# Altium PCB PCB.PcbDoc
Units mil, origin at the board's own origin, x right, y up, seen from the top; angles counter-clockwise.
Board outline 7480.31 x 2047.24 mil, 2 copper layers (Top Layer, Bottom Layer); 107 components, 136 nets, 510 pads, 273 vias.
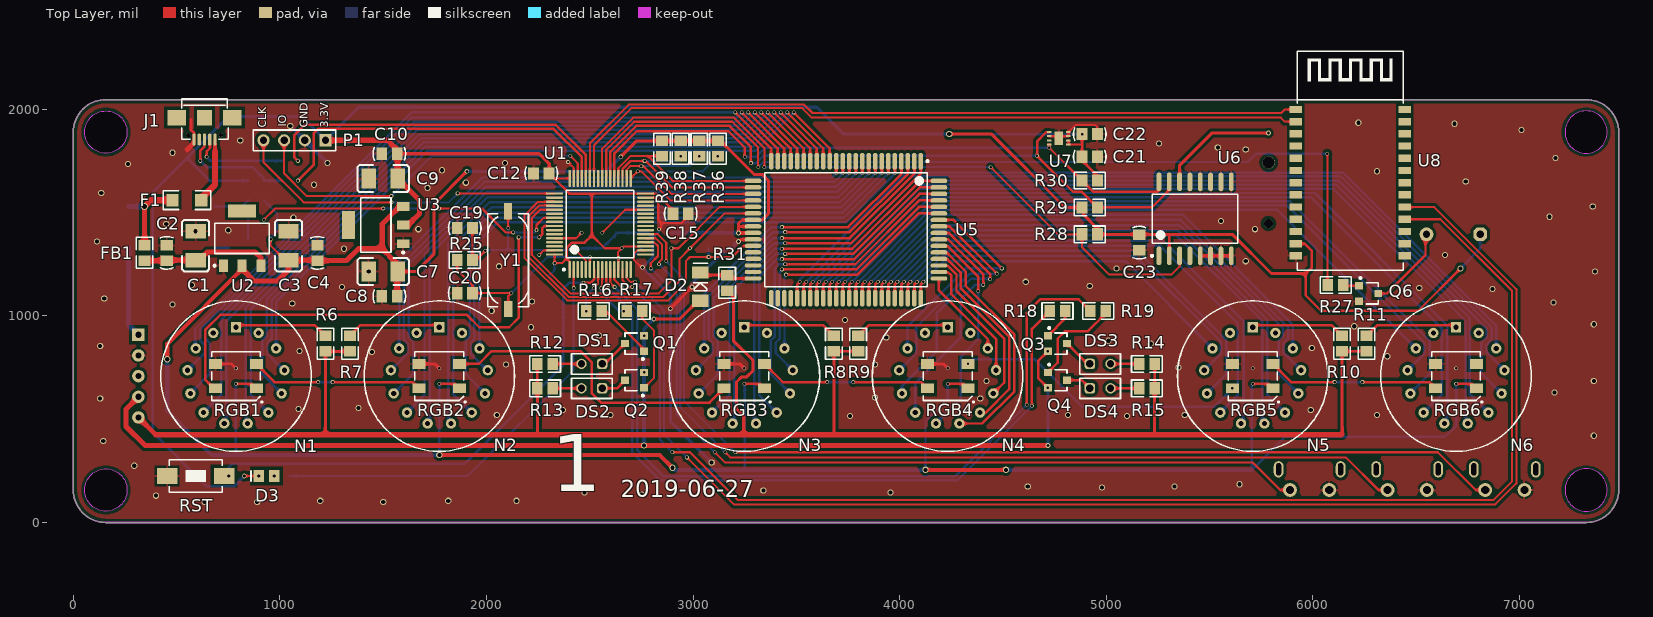
[diagram p0: Top Layer view]
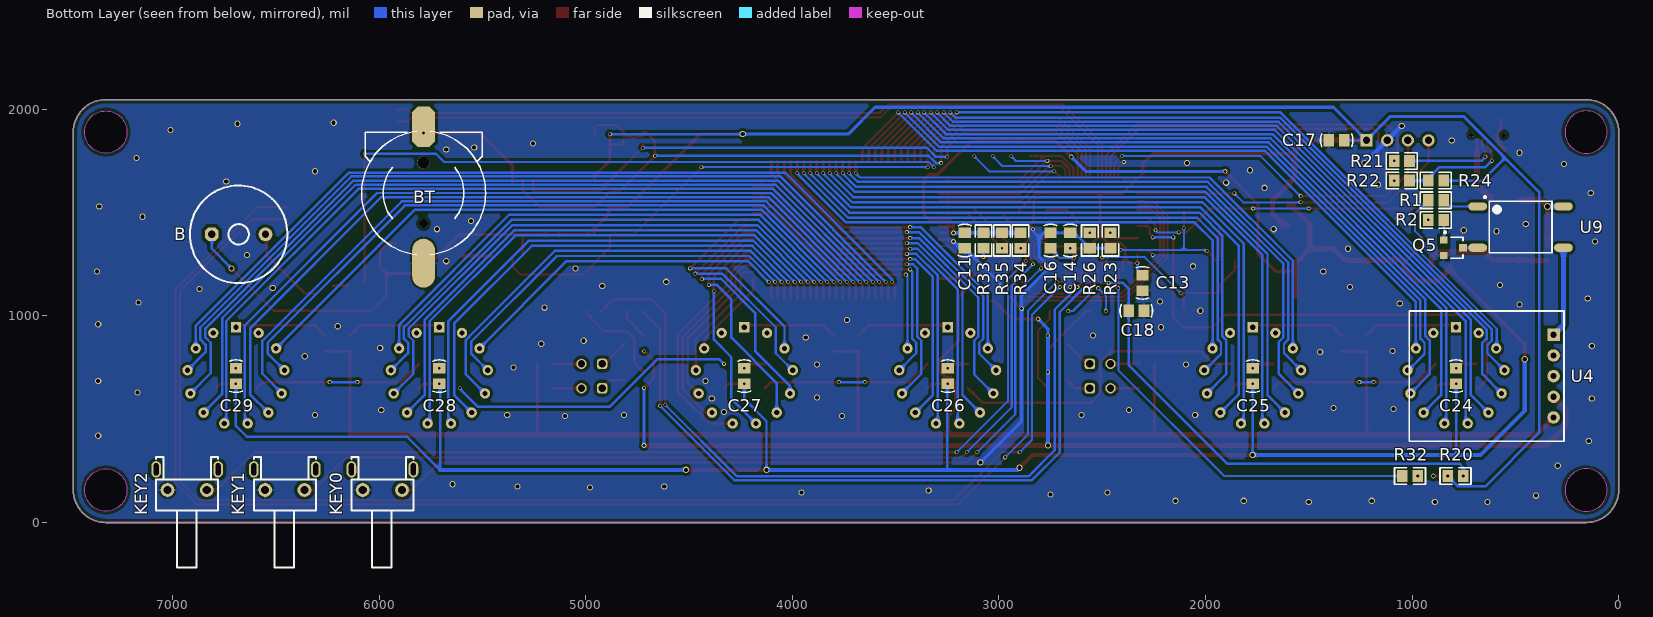
[diagram p1: Bottom Layer view, seen from below]

## Layer stack, top to bottom
Top Solder: solder mask 0.4, Solder Resist, Dk 3.5
Top Layer: signal copper 1.4
Dielectric 1: dielectric 12.6, FR-4, Dk 4.8
Bottom Layer: signal copper 1.4
Bottom Solder: solder mask 0.4, Solder Resist, Dk 3.5

## Board outline
0,157.48 0,1889.76 cw(c157.48,1889.76) 157.48,2047.24 7322.83,2047.24 cw(c7322.83,1889.76) 7480.31,1889.76 7480.31,157.48 cw(c7322.83,157.48) 7322.83,0 157.48,0 cw(c157.48,157.48)
cut-out: 157.48,1787.4 cw(c157.48,1889.76) 55.12,1889.76 cw(c157.48,1889.76) 157.48,1992.13 cw(c157.48,1889.76) 259.84,1889.76 cw(c157.48,1889.76)
cut-out: 7220.47,1889.76 ccw(c7322.83,1889.76) 7322.83,1787.4 ccw(c7322.83,1889.76) 7425.2,1889.76 ccw(c7322.83,1889.76) 7322.83,1992.13 ccw(c7322.83,1889.76)
cut-out: 157.48,55.12 cw(c157.48,157.48) 55.12,157.48 cw(c157.48,157.48) 157.48,259.84 cw(c157.48,157.48) 259.84,157.48 cw(c157.48,157.48)
cut-out: 7220.47,157.48 ccw(c7322.83,157.48) 7322.83,55.12 ccw(c7322.83,157.48) 7425.2,157.48 ccw(c7322.83,157.48) 7322.83,259.84 ccw(c7322.83,157.48)

## Design rules (kind name [scope] priority, off if disabled: settings)
Clearance Clearance_Polygon [InPolygon] p1: gap=15
Clearance [All] p2: gap=7
Height [All] p1: minheight=0 maxheight=3149.61 prefheight=500
MinimumSolderMaskSliver [All] p1: minsoldermaskwidth=0
PolygonConnect PolygonConnectVias [IsVia] p1: connectstyle=Direct reliefconductorwidth=10 reliefentries=4 polygonreliefangle="90 Angle" airgapwidth=10
PolygonConnect [All] p2: connectstyle=Relief reliefconductorwidth=10 reliefentries=4 polygonreliefangle="90 Angle" airgapwidth=10
RoutingVias [All] p1: holewidth=25 width=33 viastyle="Through Hole" minholewidth=10 minwidth=15 maxholewidth=50 maxwidth=70
SilkToSilkClearance [All] p1: silktosilkclearance=0
SilkToSolderMaskClearance [IsPad] p1: minsilkscreentomaskgap=0 clearancetoexposedcopper=TRUE
SolderMaskExpansion [All] p1: expansion=4
Width Width_VCC [(InNet('VCC5') AND InNet('VCC12') AND InNet('VCC3.3') AND InNet('VH'))] p1: maxlimit=35 minlimit=10 preferedwidth=25
Width [All] p2: maxlimit=35 minlimit=10 preferedwidth=10
26 further rules are at their usual default settings.

## Components (designator, comment, footprint, x,y, rotation, side; value= is the part's Value field where it differs from the comment)
B "BEEP-NS" BEEP-NS 6680,1395 r180 bottom
BT "Battery" CR1220 5785,1915 r180 bottom
C1 "Cap-Pol" C-1210 591.87,1340 r270 top
C2 "Cap-S" C-0805 451.87,1305 r90 top
C3 "Cap-Pol" C-1210 1041.87,1340 r270 top
C4 "Cap-S" C-0805 1181.87,1305 r90 top
C7 "Cap-Pol" C-1210 1500,1215 r0 top
C8 "Cap-S" C-0805 1530,1095 r180 top
C9 "Cap-Pol" C-1210 1500,1665 r0 top
C10 "Cap-S" C-0805 1530,1785 r180 top
C11 "Cap-S" C-0805 3165,1365 r270 bottom
C12 "Cap-S" C-0805 2265,1690 r0 top
C13 "Cap-S" C-0805 2305,1160 r90 bottom
C14 "Cap-S" C-0805 2655,1365 r270 bottom
C15 "Cap-S" C-0805 2940,1495 r180 top
C16 "Cap-S" C-0805 2750,1365 r270 bottom
C17 "Cap-S" C-0805 1365,1850 r0 bottom
C18 "Cap-S" C-0805 2335,1025 r180 bottom
C19 "Cap-S" C-0805 1895,1425 r0 top
C20 "Cap-S" C-0805 1895,1110 r0 top
C21 "Cap-S" C-0805 4920,1770 r180 top
C22 "Cap-S" C-0805 4920,1880 r180 top
C23 "Cap-S" C-0805 5160,1355 r270 top
C24 "Cap-S" C-0805 787.4,708.66 r90 bottom
C25 "Cap-S" C-0805 1771.65,708.66 r90 bottom
C26 "Cap-S" C-0805 3248.03,708.66 r90 bottom
C27 "Cap-S" C-0805 4232.28,708.66 r90 bottom
C28 "Cap-S" C-0805 5708.66,708.66 r90 bottom
C29 "Cap-S" C-0805 6692.91,708.66 r90 bottom
D2 "ZMM75" D-ll34 3035,1140 r90 top
D3 "LED0" LED-0805 935,225 r180 top
DS1 "Neon" PIN2 2509.84,767.72 r180 top
DS2 "Neon" PIN2 2509.84,649.61 r180 top
DS3 "Neon" PIN2 4970.47,767.72 r0 top
DS4 "Neon" PIN2 4970.47,649.61 r0 top
F1 "Fuse1" 1206 550,1560 r180 top
FB1 "Inductor" 0805-1 345,1305 r270 top
J1 "USB_M" USB_MICRO 635,1960 r180 top
KEY0 "KEY" SW_PB2_C1 5984.25,157.48 r0 bottom
KEY1 "KEY" SW_PB2_C1 6456.69,157.48 r0 bottom
KEY2 "KEY" SW_PB2_C1 6929.13,157.48 r0 bottom
N1 "IN_14" IN_14 787.4,708.66 r0 top
N2 "IN_14" IN_14 1771.65,708.66 r0 top
N3 "IN_14" IN_14 3248.03,708.66 r0 top
N4 "IN_14" IN_14 4232.28,708.66 r0 top
N5 "IN_14" IN_14 5708.66,708.66 r0 top
N6 "IN_14" IN_14 6692.91,708.66 r0 top
P1 "Header 4" HDR4X1-2.54 1070.55,1850 r180 top
Q1 "A42" SOT23-3 2716.54,866.14 r90 top
Q2 "A42" SOT23-3 2716.54,688.98 r90 top
Q3 "A42" SOT23-3 4763.78,866.14 r270 top
Q4 "A42" SOT23-3 4763.78,688.98 r270 top
Q5 "9013" SOT23-3 800,1330 r270 bottom
Q6 "9014" SOT23-3 6270,1108.64 r270 top
R1 "Res1" 0805-1 885,1560 r180 bottom
R2 "Res1" 0805-1 885,1465 r0 bottom
R6 "Res1" 0805-1 1220.47,866.14 r270 top
R7 "Res1" 0805-1 1338.58,866.14 r270 top
R8 "Res1" 0805-1 3681.1,866.14 r270 top
R9 "Res1" 0805-1 3799.21,866.14 r270 top
R10 "Res1" 0805-1 6141.73,866.14 r270 top
R11 "Res1" 0805-1 6259.84,866.14 r270 top
R12 "Res1" 0805-1 2283.46,767.72 r0 top
R13 "Res1" 0805-1 2283.46,649.61 r0 top
R14 "Res1" 0805-1 5196.85,767.72 r0 top
R15 "Res1" 0805-1 5196.85,649.61 r180 top
R16 "Res1" 0805-1 2519.68,1023.62 r0 top
R17 "Res1" 0805-1 2716.54,1023.62 r0 top
R18 "Res1" 0805-1 4763.78,1023.62 r0 top
R19 "Res1" 0805-1 4960.63,1023.62 r0 top
R20 "Res1" 0805-1 790,225 r0 bottom
R21 "Res1" 0805-1 1050,1750 r0 bottom
R22 "Res1" 0805-1 1050,1655 r0 bottom
R23 "Res1" 0805-1 2460,1365 r90 bottom
R24 "Res1" 0805-1 885,1655 r180 bottom
R25 "Res1" 0805-1 1895,1270 r0 top
R26 "Res1" 0805-1 2560,1365 r270 bottom
R27 "Res1" 0805-1 6110,1150 r0 top
R28 "Res1" 0805-1 4920,1395 r0 top
R29 "Res1" 0805-1 4920,1525 r180 top
R30 "Res1" 0805-1 4920,1655 r0 top
R31 "Res1" 0805-1 3165,1160 r90 top
R32 "Res1" 0805-1 1010,225 r180 bottom
R33 "Res1" 0805-1 3075,1365 r90 bottom
R34 "Res1" 0805-1 2895,1365 r90 bottom
R35 "Res1" 0805-1 2985,1365 r90 bottom
R36 "Res1" 0805-1 3120,1810 r90 top
R37 "Res1" 0805-1 3030,1810 r90 top
R38 "Res1" 0805-1 2940,1810 r90 top
R39 "Res1" 0805-1 2850,1810 r90 top
RGB1 "WS2812B" SMD-5050-4 787.4,708.66 r180 top
RGB2 "WS2812B" SMD-5050-4 1771.65,708.66 r180 top
RGB3 "WS2812B" SMD-5050-4 3248.03,708.66 r180 top
RGB4 "WS2812B" SMD-5050-4 4232.28,708.66 r180 top
RGB5 "WS2812B" SMD-5050-4 5708.66,708.66 r180 top
RGB6 "WS2812B" SMD-5050-4 6692.91,708.66 r180 top
RST "SW-PB" SW_PB2_A1 590,225 r270 top
U1 "STM32F103RCT6" LQFP-64 2550,1445 r90 top
U2 "AMS1117-5" SOT223 816.87,1375 r0 top
U3 "AMS1117-3.3" SOT223 1465,1440 r90 top
U4 "Boost" BOOST-A 314.96,708.66 r180 bottom
U5 "HV57708PG" PQFP-80 3740.16,1417.32 r270 top
U6 "DS3231" SOIC-16W 5430,1470 r90 top
U7 "SHT30" SHT3x-DIS 4770,1860 r0 top
U8 "HC-02" HC-02 6181.1,1645 r0 top
U9 "Relay_AQY272" AQY272-SOP 475,1430 r180 bottom
Y1 "XTAL" X-SM49 2105,1270 r270 top

## Footprints (in the part's own frame and the unit in brackets; to place one, negate y for a bottom-side part, rotate by r counter-clockwise, add the part's x,y. Pads: shape width x height; smd on the part's side, far side on the other; paste and mask are expansions set on the pad)
0805-1 [mm] "0805带丝印"
  rect 1.3x1.5 smd: 1(-0.95,0) 2(0.95,0)
  silkscreen extent -1.91,-1.02 1.91,1.02, body extent -1,-0.62 1,0.63, height 0.5
1206 [mil] "贴片元件"
  rect 60x60 smd: 1(-70,0) 2(70,0)
  silkscreen extent -115,-45 115,45, body extent -75,-35 75,35, height 39
AQY272-SOP [mm] "Relay_AQY272"
  oval 2.3x1 smd: 1(-5.271,2.54) 2(-5.271,-2.54) 3(5.271,-2.54) 4(5.271,2.54)
  silkscreen extent -4.5,-3.18 3.87,3.81, body extent -5.14,-4.65 5.26,4.65, height 3.7
BEEP-NS [mm] "无源蜂鸣器"
  oct 1.7x1.7 hole 0.9: 1(-3.3,0)
  round 1.7 hole 0.9: 2(3.3,0)
  silkscreen extent -6,-6 6,6, body extent -6,-6 6,6, height 8.5
BOOST-A [mil] "5V-170V升压模块"
  rect 60x60 hole 30: 1(0,200)
  round 60 hole 30: 2(0,100) 3(0,-100) 4(0,-200) ""(0,0)
  silkscreen extent -698,-315 50,315, body extent -50,-250 50,250, height 335
C-0805 [mm] "贴片电容"
  rect 1.3x1.5 smd: 1(-0.95,0) 2(0.95,0)
  silkscreen extent -2,-0.79 2,0.79, body extent -1,-0.6 1,0.6, height 0.95
C-1210 [mm] "贴片电容"
  rect 1.8x2.5 smd: 1(1.778,0) 2(-1.778,0)
  silkscreen extent -3.18,-1.65 3.18,1.65, body extent -1.61,-1.26 1.61,1.26, height 1
CR1220 [mm] "纽扣电池座"
  round 1.5 hole 1.5: 0(-0.022,-4.386)
  round 1.1 hole 1.1: 0(0.003,-11.886)
  oct 2.8x5 smd: 1(0,0)
  oval 2.8x6 smd: 2(0,-16.764)
  silkscreen extent -7.61,-15.71 7.62,-0.56, body extent -7.5,-17.63 7.49,0.87, height 4.94
D-ll34 [mm] "圆柱形1206贴片稳压二极管"
  rect 1.5x2 smd: 1(-1.702,0) 2(1.798,0)
  silkscreen extent -0.45,-0.89 2.92,0.89, body extent -1.75,-0.75 1.75,0.75, height 1.5
HC-02 [mm] "串口蓝牙, 2.0/4.0 BLE, 10m"
  rect 1.5x0.9 smd: 1(-6.7,9) 2(-6.7,7.5) 3(-6.7,6) 4(-6.7,4.5) 5(-6.7,3) 6(-6.7,1.5) 7(-6.7,0) 8(-6.7,-1.5) 9(-6.7,-3) 10(-6.7,-4.5) 11(-6.7,-6) 12(-6.7,-7.5) 13(-6.7,-9) 14(6.7,-9) 15(6.7,-7.5) 16(6.7,-6) 17(6.7,-4.5) 18(6.7,-3) 19(6.7,-1.5) 20(6.7,0) 21(6.7,1.5) 22(6.7,3) 23(6.7,4.5) 24(6.7,6) 25(6.7,7.5) 26(6.7,9)
  silkscreen extent -6.5,-10.75 6.5,16.15
HDR4X1-2.54 [mm] "2.54单排针排座"
  rect 1.5x1.5 hole 0.9: 1(-3.81,0)
  round 1.5 hole 0.9: 2(-1.27,0) 3(1.27,0) 4(3.81,0)
  silkscreen extent -5.08,-1.27 5.08,1.27, body extent -5.08,-1.27 5.08,1.27, height 8.5
IN_14 [mil] "辉光管"
  rect 50x50 hole 25: 1(0,236.22)
  round 50 hole 25: 2(-109.78,209.16) 3(-194.4,134.19) 4(-234.49,28.47) 5(-220.87,-83.76) 6(-156.64,-176.81) 7(-56.53,-229.36) 8(56.55,-229.35) 9(156.65,-176.81) 10(220.88,-83.76) 11(234.5,28.48) 12(194.41,134.19) 13(109.78,209.16)
  silkscreen extent -364,-364 364,364, body extent -374,-374 374,374, height 2402
LED-0805 [mm] "贴片LED"
  rect 1.3x1.5 smd: 1(-0.95,0) 2(0.95,0)
  silkscreen extent 1.91,-0.63 1.91,0.64, body extent -1.01,-0.62 1.01,0.63, height 1.1
LQFP-64 [mm] "LQFP, 12x12"
  oval 2.1x0.3 smd: 1(-5.6,3.75) 2(-5.6,3.25) 3(-5.6,2.75) 4(-5.6,2.25) 5(-5.6,1.75) 6(-5.6,1.25) 7(-5.6,0.75) 8(-5.6,0.25) 9(-5.6,-0.25) 10(-5.6,-0.75) 11(-5.6,-1.25) 12(-5.6,-1.75) 13(-5.6,-2.25) 14(-5.6,-2.75) 15(-5.6,-3.25) 16(-5.6,-3.75) 33(5.6,-3.75) 34(5.6,-3.25) 35(5.6,-2.75) 36(5.6,-2.25) 37(5.6,-1.75) 38(5.6,-1.25) 39(5.6,-0.75) 40(5.6,-0.25) 41(5.6,0.25) 42(5.6,0.75) 43(5.6,1.25) 44(5.6,1.75) 45(5.6,2.25) 46(5.6,2.75) 47(5.6,3.25) 48(5.6,3.75)
  oval 0.3x2.1 smd: 17(-3.75,-5.6) 18(-3.25,-5.6) 19(-2.75,-5.6) 20(-2.25,-5.6) 21(-1.75,-5.6) 22(-1.25,-5.6) 23(-0.75,-5.6) 24(-0.25,-5.6) 25(0.25,-5.6) 26(0.75,-5.6) 27(1.25,-5.6) 28(1.75,-5.6) 29(2.25,-5.6) 30(2.75,-5.6) 31(3.25,-5.6) 32(3.75,-5.6) 49(3.75,5.6) 50(3.25,5.6) 51(2.75,5.6) 52(2.25,5.6) 53(1.75,5.6) 54(1.25,5.6) 55(0.75,5.6) 56(0.25,5.6) 57(-0.25,5.6) 58(-0.75,5.6) 59(-1.25,5.6) 60(-1.75,5.6) 61(-2.25,5.6) 62(-2.75,5.6) 63(-3.25,5.6) 64(-3.75,5.6)
  silkscreen extent -5.72,-4.15 4.15,4.57, body extent -6.07,-6.07 6.07,6.07, height 1.62
PIN2 [mm] "氖泡, 2 Pins"
  rrect50% 1.27x1.27 hole 0.9: 1(-1.27,0)
  round 1.27 hole 0.9: 2(1.27,0)
  silkscreen extent -2.5,-1.25 2.5,1.25
PQFP-80 [mm]
  oval 2.05x0.55 smd: 1(-8.425,9.2) 2(-8.425,8.4) 3(-8.425,7.6) 4(-8.425,6.8) 5(-8.425,6) 6(-8.425,5.2) 7(-8.425,4.4) 8(-8.425,3.6) 9(-8.425,2.8) 10(-8.425,2) 11(-8.425,1.2) 12(-8.425,0.4) 13(-8.425,-0.4) 14(-8.425,-1.2) 15(-8.425,-2) 16(-8.425,-2.8) 17(-8.425,-3.6) 18(-8.425,-4.4) 19(-8.425,-5.2) 20(-8.425,-6) 21(-8.425,-6.8) 22(-8.425,-7.6) 23(-8.425,-8.4) 24(-8.425,-9.2) 41(8.425,-9.2) 42(8.425,-8.4) 43(8.425,-7.6) 44(8.425,-6.8) 45(8.425,-6) 46(8.425,-5.2) 47(8.425,-4.4) 48(8.425,-3.6) 49(8.425,-2.8) 50(8.425,-2) 51(8.425,-1.2) 52(8.425,-0.4) 53(8.425,0.4) 54(8.425,1.2) 55(8.425,2) 56(8.425,2.8) 57(8.425,3.6) 58(8.425,4.4) 59(8.425,5.2) 60(8.425,6) 61(8.425,6.8) 62(8.425,7.6) 63(8.425,8.4) 64(8.425,9.2)
  oval 0.55x2.05 smd: 25(-6,-11.425) 26(-5.2,-11.425) 27(-4.4,-11.425) 28(-3.6,-11.425) 29(-2.8,-11.425) 30(-2,-11.425) 31(-1.2,-11.425) 32(-0.4,-11.425) 33(0.4,-11.425) 34(1.2,-11.425) 35(2,-11.425) 36(2.8,-11.425) 37(3.6,-11.425) 38(4.4,-11.425) 39(5.2,-11.425) 40(6,-11.425) 65(6,11.425) 66(5.2,11.425) 67(4.4,11.425) 68(3.6,11.425) 69(2.8,11.425) 70(2,11.425) 71(1.2,11.425) 72(0.4,11.425) 73(-0.4,11.425) 74(-1.2,11.425) 75(-2,11.425) 76(-2.8,11.425) 77(-3.6,11.425) 78(-4.4,11.425) 79(-5.2,11.425) 80(-6,11.425)
  silkscreen extent -8.55,-10 7,10.15, body extent -7,-10 7,10, height 3.1
SHT3x-DIS [mm] "温湿度传感器，DFN封装"
  rect 0.55x0.25 smd: 1(-1.175,0.75) 2(-1.175,0.25) 3(-1.175,-0.25) 4(-1.175,-0.75) 5(1.175,-0.75) 6(1.175,-0.25) 7(1.175,0.25) 8(1.175,0.75)
  rect 1x1.7 smd: 9(0,0)
  body extent -1.25,-1.25 1.25,1.25, height 0.9
SMD-5050-4 [mm]
  rect 1.6x1.2 smd: 1(-2.5,1.5) 2(-2.5,-1.5) 3(2.5,-1.5) 4(2.5,1.5)
  silkscreen extent -3.27,-3 3,3.27, body extent -2.7,-2.5 2.7,2.5, height 1.5
SOIC-16W [mm] "SOIC"
  oval 2.3x0.6 smd: 1(-4.55,4.445) 2(-4.55,3.175) 3(-4.55,1.905) 4(-4.55,0.635) 5(-4.55,-0.635) 6(-4.55,-1.905) 7(-4.55,-3.175) 8(-4.55,-4.445) 9(4.55,-4.445) 10(4.55,-3.175) 11(4.55,-1.905) 12(4.55,-0.635) 13(4.55,0.635) 14(4.55,1.905) 15(4.55,3.175) 16(4.55,4.445)
  silkscreen extent -4.67,-5.25 3,5.42, body extent -3.75,-5.15 3.75,5.15, height 2.65
SOT23-3 [mm]
  rect 0.9x0.95 smd: 1(-0.95,-1.175) 2(0.95,-1.175) 3(0,1.175)
  silkscreen extent -2.03,-1.14 1.3,1.18, body extent -1.45,-1.4 1.45,1.4, height 1.2
SOT223 [mm]
  rect 1.1x1.55 smd: 1(-2.3,-3.375) 2(0,-3.375) 3(2.3,-3.375)
  rect 3.45x1.55 smd: 4(0,3.375)
  silkscreen extent -3.5,-3.48 3.35,1.85, body extent -3.25,-3.48 3.25,3.48, height 1.7
SW_PB2_A1 [mm]
  rect 2x2.5 smd: 1(0,3.556) 2(0,-3.444)
  silkscreen extent -2,-3.19 2,3.31, body extent -1.93,-3.94 1.92,3.95, height 2.5
SW_PB2_C1 [mm] "侧卧微动开关"
  round 1.7 hole 1: 1(-2.413,0) 2(2.413,0)
  oval 1.2x2 hole 0.6 slot 1.5 at 90 deg: 3(-3.81,-2.54) 4(3.81,-2.54)
  silkscreen extent -3.81,-4.06 3.81,9.53, body extent -4.26,-4 4.44,3.85, height 7.4
USB_MICRO [mm] "USB方孔"
  round 0.5 hole 0.5: 0(-2,2.15)
  round 0.5 hole 0.56: 0(2,2.15)
  oct 0.4x1.5 smd: 1(-1.3,2.7) 2(-0.65,2.7) 3(0,2.7) 4(0.65,2.7) 5(1.3,2.7)
  rect 2.286x1.9 smd: 6(3.429,0) 7(-3.429,0)
  rect 1.8x1.9 smd: 8(0,0)
  silkscreen extent -2.92,-2.29 2.79,2.67, body extent -4.4,-2.79 4.4,2.81, height 2.73
X-SM49 [mm]
  rect 2x1 smd: 1(6,0.004) 2(-6,-0.004)
  silkscreen extent -5.7,-2.5 5.72,2.5, body extent -6.7,-2.46 6.7,2.44, height 4

## Part data
B: "无源蜂鸣器"
C1 C3 C7 C9: library part Cap-Pol-A, "钽电容"
C2 C4 C8 C10 C11 C12 C13 C14 C15 C16 C17 C18 C19 C20 C21 C22 C23 C24 C25 C26 C27 C28 C29: "贴片瓷片电容"
D2: library part Diode-Z, "稳压二极管"
D3: "发光二极管"
DS1 DS2 DS3 DS4: library part Neon_Lamp, "氖泡"
F1: "保险丝"
FB1: "磁珠"
J1: "Micro/Mini USB"
KEY0 KEY1 KEY2: library part SW-PB, "微动开关"
N1 N2 N3 N4 N5 N6: "辉光管"
P1: "接插件"
Q1 Q2 Q3 Q4 Q5 Q6: library part NPN1, "贴片三极管"
R1 R2 R6 R7 R8 R9 R10 R11 R12 R13 R14 R15 R16 R17 R18 R19 R20 R21 R22 R23 R24 R25 R26 R27 R28 R29 R30 R31 R32 R33 R34 R35 R36 R37 R38 R39: "贴片电阻"
RGB1 RGB2 RGB3 RGB4 RGB5 RGB6: "WS2812B 4脚RGB全彩LED"
RST: "微动开关"
U1: "STM32F103, 64引脚, 256Kb Flash, 48Kb SRAM"
U2: library part AMS1117, "5V稳压芯片"
U3: library part AMS1117, "3.3V稳压芯片"
U4: library part 升压模块5V-170V, "5V-->170V"
U5: "32MHz, 64通道推挽输出串入并出芯片"
U6: "高精度时钟芯片"
U7: library part SHT3X, "温湿度传感器"
U8: "串口蓝牙4.0, 10m"
U9: library part RELAY-AQY272, "继电器"
Y1: "晶振"

## Via types
v1: diameter 18, hole 12, Top Layer to Bottom Layer, tented both sides, 147 vias
v2: diameter 30, hole 20, Top Layer to Bottom Layer, tented both sides, 111 vias
v3: diameter 23, hole 15, Top Layer to Bottom Layer, tented both sides, 14 vias
v4: diameter 33, hole 25, Top Layer to Bottom Layer, tented both sides, 1 vias

## Nets (pads, with @x,y where several pads share a name; then routed paths per layer and width w, separated by ;. In a path a pad name is that pad's centre, name@x,y a point inside that pad or via, vN(x,y) a via of type N, cw(c..) or ccw(c..) an arc to the next point about the centre after c; other vN are vias at no path point)
+5V: F1.2 FB1.1 U9.4 | length 412.5
  Top Layer w25: FB1.1 v4(345,1530)
  Top Layer w30: v4(345,1530) 375,1560 F1.2
  Bottom Layer w25: U9.4 v4(345,1530)
BEEP: R27.1 U1.39 | length 4495.4
  Top Layer w10: U1.39 2579.53,1804.53 2715,1940 3190,1940 3315,1815 v1(3315,1720) ; v1(6070,1785) 6070,1152.6 R27.1
  Bottom Layer w10: v1(3315,1720) 3340,1745 5685,1745 5725,1785 v1(6070,1785)
DOT1: R16.1 U1.8 | length 224.9
  Top Layer w10: v1(2520,1135) 2540.16,1155.16 U1.8
  Bottom Layer w10: v1(2482.28,1023.62) 2482.28,1097.28 v1(2520,1135)
DOT2: R17.1 U1.9 | length 262.3
  Top Layer w10: v1(2555,1135) 2559.84,1139.84 U1.9
  Bottom Layer w10: v1(2555,1135) 2555,1110 2641.38,1023.62 v1(2665,1023.62)
DOT3: R18.1 U1.10 | length 3571.6
  Top Layer w12: U1.10 2579.53,1145.47 v1(2590,1135) ; v1(4640,565) 4640,937.24 R18.1
  Bottom Layer w12: v1(2590,1135) 2705,1020 2705,340 2840,205 4281.11,205 4637,560.89 4637,562 v1(4640,565)
DOT4: R19.1 U1.11 | length 3811.9
  Top Layer w12: U1.11 2599.21,1160.79 v1(2620,1140) ; v1(4615,570) 4615,1015 4680,1080 4866.85,1080 R19.1
  Bottom Layer w12: v1(2620,1140) 2730,1030 2730,350 2855,225 4270,225 v1(4615,570)
DS_INT: R28.1 U1.40 U6.3 | length 3475.1
  Top Layer w10: U1.40 2559.84,1809.84 2710,1960 3197.99,1960 3345,1812.99 v1(3345,1720) ; v1(4440,1720) 4765,1395 R28.1 4882.6,1332.4 5015,1200 5315,1200 5355,1240 U6.3
  Bottom Layer w10: v1(3345,1720) v1(4440,1720)
GND: BT.2 C1.2 C2.2 C3.2 C4.2 C7.2 C8.2 C9.2 C10.2 C11.2 C12.1 C13.1 C14.1 C15.1 C16.1 C17.2 C18.2 C19.1 C20.1 C21.1 C22.1 C23.2 C24.2 C25.2 C26.2 C27.2 C28.2 C29.2 J1.5 KEY0.2 KEY1.2 KEY2.2 P1.2 Q5.2 Q6.2 R23.1 R26.2 RGB1.3 RGB2.3 RGB3.3 RGB4.3 RGB5.3 RGB6.3 RST.2 U1.12 U1.18 U1.31 U1.47 U1.63 U2.1 U3.1 U4.2 U5.34 U6.5 U6.6 U6.7 U6.8 U6.9 U6.10 U6.11 U6.12 U6.13 U7.2 U7.7 U7.8 U7.9 U8.13 | length 4407.2
  Top Layer w10: v1(2255.91,1295) 2277.95,1317.05 U1.63 ; v1(2395,1745) 2422.05,1717.95 U1.47 ; U1.12 2618.9,1176.1 v1(2655,1140) ; v3(2755,1235) 2750,1235 2715,1270 2715,1302.65 2729.4,1317.05 U1.18 ; U1.31 2818.01,1572.95 2831.23,1559.73 2831.23,1463.77 2845,1450 ; v1(2835,1420) 2845,1430 2845,1450 ; C15.1 2977.4,1482.4 2945,1450 2845,1450 ; U7.2 4760.16,1869.84 U7.9 4779.84,1869.84 U7.7 U7.8 4851.73,1925 4945,1925 4957.4,1912.6 C22.1
  Top Layer w12: RGB1.3 765.75,767.72 v1(787.4,746.06)
  Top Layer w15: 545,1805 J1.5@583.82,1843.82 ; 551.28,1798.72 583.82,1831.26 J1.5@583.82,1843.82 ; 570,1950 569.12,1949.12 569.12,1900.88 583.82,1886.18 J1.5 J1.5@583.82,1843.82 ; RGB2.3 1750,767.72 v1(1771.65,746.06) ; v3(2890,1035) v3(2995,1140) ; RGB3.3 3226.38,767.72 v1(3248.03,746.06) ; v3(3220,1360) 3230.08,1370.08 U5.34 ; RGB4.3 4210.63,767.72 v1(4232.28,746.06) ; U6.5 U6.6 U6.7 U6.8
  Bottom Layer w10: 2805,1379.32 2835,1409.32 v1(2835,1420)
  Bottom Layer w12: R23.1 R26.2 2634.8,1402.4 C14.1 C16.1
  Bottom Layer w15: C16.1 2781.92,1402.4 2805,1379.32 2805,1285 v3(2755,1235) 2890,1100 2890,490 v2(3090,290) ; v3(2995,1140) 2995,1157.6 C11.2 3187.6,1327.6 v3(3220,1360)
  Bottom Layer w20: v2(1050,1920) 1050.55,1920 P1.2 1230,1740.55 v2(1230,1740)
  other v1: 5708.66,746.06 6692.91,746.06
  other v2: 635,100 890,100 1500,100 1195,105 1815,105 2145,105 400,130 2750,135 2475,145 3955,145 3340,155 4980,170 4620,175 5330,175 5645,185 295,275 145,395 7360,420 3760,515 5100,515 2050,520 2600,520 4815,520 5380,520 6310,520 4330,535 2370,545 5990,545 1090,550 1380,555 130,600 4390,600 3880,605 7170,630 4420,685 7360,685 5350,750 2095,765 3880,765 6360,805 1445,825 1095,830 5995,845 130,855 5215,865 5010,880 3935,895 2545,905 2215,945 6200,950 7360,960 3735,980 2025,1025 5200,1040 480,1055 1060,1060 7165,1065 2220,1070 150,1085 6870,1130 6515,1135 1300,1140 4920,1145 575,1150 4610,1165 1430,1215 7365,1215 5050,1230 2060,1240 5675,1265 6640,1295 1310,1325 115,1360 591.87,1410 750,1415 1670,1420 5720,1420 450,1445 5555,1460 1065,1475 7145,1480 7355,1530 135,1595 1715,1620 1165,1635 1900,1645 6740,1650 6310,1700 1785,1705 265,1735 2090,1740 7175,1765 480,1790 5675,1805 5540,1815 5255,1835 808.23,1849.53 7010,1900 6685,1930 6220,1935
GNDH: D2.1 Q1.2 Q2.2 Q3.2 Q4.2 U4.3 | length 6064.1
  Top Layer w12: v1(4717.52,651.57) 4670,699.09 4670,781.22 v1(4717.52,828.74)
  Top Layer w15: v3(2810,985) 2935,985 3029,1079 D2.1
  Top Layer w25: U4.3 255,548.7 255,465 347.8,372.2 v2(2762.8,372.2) v3(4717.8,372.2)
  Bottom Layer w15: v1(2762.8,903.54) 2762.8,937.8 v3(2810,985) ; v3(4717.8,372.2) v1@4717.8,651.3
  Bottom Layer w20: v2(2762.8,372.2) v1(2762.8,726.38) v1(2762.8,903.54)
HC-KEY: U1.15 U8.18 | length 6840.1
  Top Layer w10: U1.15 2677.95,1183.46 2696.41,1165 v1(2720,1165) ; v1(2970,315) 3197,88 6883,88 6985,190 6985,1130 6588.11,1526.89 U8.18
  Bottom Layer w10: v1(2720,1165) 2860,1025 2860,425 v1(2970,315)
HC-RXD: U1.42 U8.2 | length 3658.9
  Top Layer w10: U1.42 2520.47,1825.47 2701,2006 3529,2006 3575,1960 5845,1960 5864.72,1940.28 U8.2
HC-STA: U1.14 U8.17 | length 6774.7
  Top Layer w10: U1.14 2658.27,1171.73 2690,1140 v1(2705,1140) ; v1(2900,340) 2985,340 3215,110 6875,110 6964.41,199.41 6964.41,1120.59 6617.17,1467.83 U8.17